# KiCad board panel_rp2354_20x20.kicad_pcb (continued)
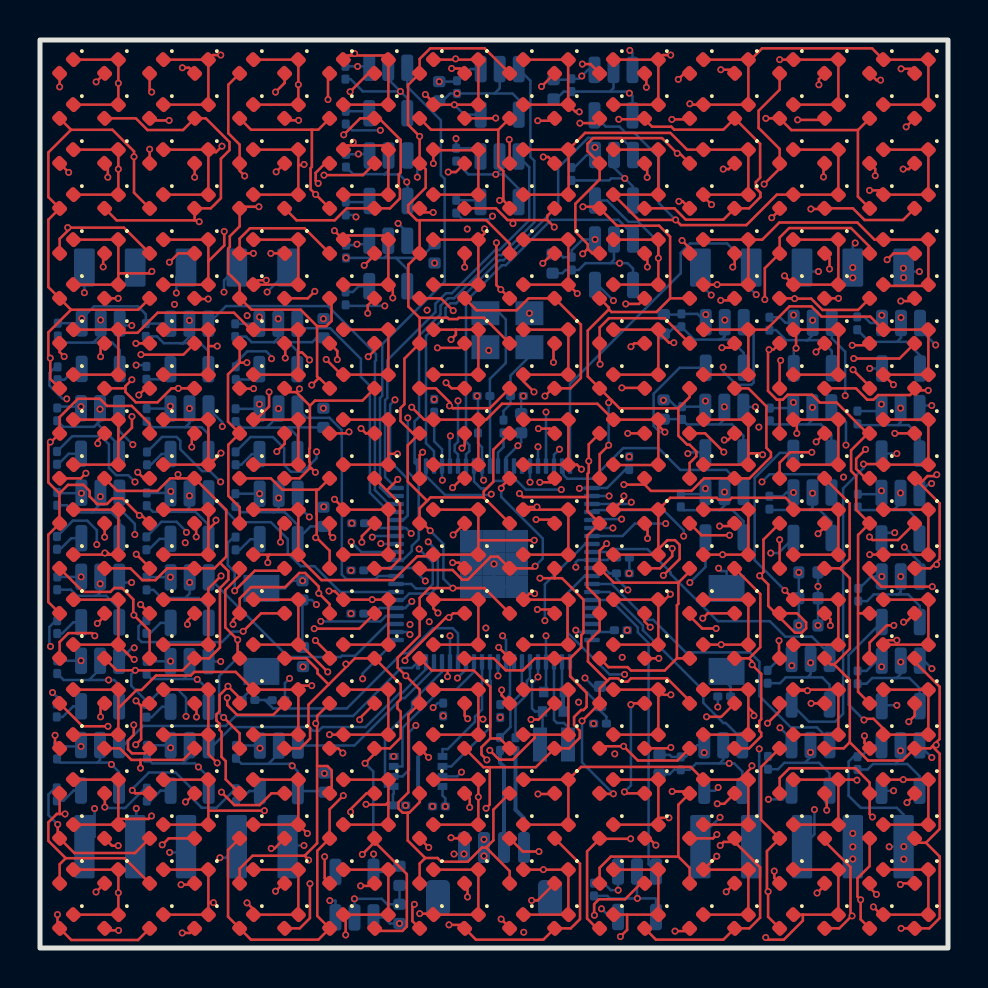
[diagram p0: board, top side]
## Routing (per net, layer and track width the routed paths; a pad name or vN(x,y) marks a point on that pad's centre or on a via; arc(x,y) is an arc through that point) (continued)
Net-(D161-A): length 114.2
  Top w0.127: 19.35,22.35 19.53,22.53 22.19,22.53 ; 19.35,22.35 18.39,23.32 18.39,25.14 D165.2 18.65,25.73 18.03,26.35 18.03,26.99 18.22,27.19 18.22,29.47 D164.2 18.98,31.51 ; 19.35,22.35 18.98,21.98 D166.2 19.14,21.23 v1(19.51,20.87) ; 22.19,22.53 22.19,22.83 22.66,23.31 22.66,24.91 D176.2 ; 22.19,22.53 D175.2 ; 18.98,36.39 18.84,36.39 18.41,36.82 18.41,37.14 19.28,38.02 19.28,38.93 D162.2 v1(18.98,40.58) 18.4,41.16 18.4,43.15 D161.2 18.98,44.45 19.51,44.98 22.23,44.98 D180.2 ; 18.98,36.39 22.31,36.39 23.48,35.22 D178.2 ; 18.98,36.39 D163.2 18.42,34.17 18.42,32.07 18.98,31.51 ; 19.26,4.5 18.39,5.37 18.39,6.76 ; 19.26,4.5 19.88,4.5 20.06,4.31 21.39,4.31 22.09,5.02 22.31,5.02 ; 19.26,4.5 18.98,4.22 D170.2 ; 18.39,6.76 18.13,6.76 17.92,6.98 17.92,7.28 18.42,7.78 18.42,11.67 D168.2 18.98,12.92 v1(18.29,13.61) 17.88,14.02 17.88,14.52 18.98,15.62 D167.2 18.98,17.51 19.47,17.99 v1(20.64,17.99) 22.22,17.99 D174.2 ; 18.39,6.76 18.46,6.76 18.98,7.29 D169.2 ; D173.2 23.08,12.63 v1(23.08,12.9) ; D172.2 22.67,6.92 22.67,5.38 22.31,5.02 ; 18.98,31.51 20.38,31.51 20.45,31.45 20.87,31.45 20.94,31.51 22.2,31.51 D177.2 ; v1(23.46,40.42) 23.48,40.4 D179.2 ; 22.31,5.02 23.48,3.85 D171.2
  In1.Cu w0.127: v1(23.08,12.9) 23.05,12.94 18.96,12.94 v1(18.29,13.61) ; v1(19.51,20.87) 19.21,20.87 18.71,20.36 18.41,20.36 17.84,20.94 16.06,20.94 15.97,20.85 14.83,20.85 14.66,21.01 7.55,21.01 v1(7.32,20.78) ; v1(18.98,40.58) 19.28,40.88 22.59,40.88 23.05,40.42 v1(23.46,40.42)
  Bottom w0.127: v1(20.64,17.99) 20.17,18.47 20.17,20.2 v1(19.51,20.87) ; 5.32,20.56 6.08,21.31 6.83,21.31 7.32,20.82 v1(7.32,20.78)
Net-(D181-A): length 144.3
  Top w0.127: v1(24.8,21.42) 25.54,21.42 D195.2 ; v1(24.55,11.42) 24.92,11.42 D193.2 ; v1(24.92,25.97) 25.5,25.97 D196.2 ; D191.2 24.88,2.38 v1(24.58,2.38) ; D182.2 20.8,38.8 v1(20.41,38.8) ; v1(20.58,43.98) 20.99,43.98 D181.2 ; D192.2 25.7,7.7 v1(24.9,7.7) ; D194.2 25.54,16.93 v1(24.87,16.93) ; v1(19.87,30.01) 21.01,30.01 D184.2 ; v1(20.65,20.65) D186.2 ; D199.2 25.41,39.55 v1(25.16,39.55) ; D200.2 v1(25.07,43.07) ; v1(21.23,34.04) D183.2 ; D187.2 20.65,16.73 v1(20.45,16.53) 20.3,16.53 18.25,14.48 v1(18.25,14.37) ; v1(21.38,11.46) 21.23,11.61 D188.2 ; D197.2 25.67,30.17 v1(25.67,29.28) ; v1(25.14,34.24) 25.64,34.73 D198.2 ; v1(21.38,2.55) 21.38,3.09 D190.2 ; D189.2 21.48,7.48 v1(21.48,7.03) ; v1(21.1,24.99) 21.23,25.13 D185.2
  In1.Cu w0.127: v1(21.23,34.04) 21.43,34.24 v1(25.14,34.24) ; v1(21.1,24.99) 20.6,24.99 20.14,25.45 20.14,25.78 20.33,25.97 v1(24.92,25.97) ; v1(21.38,2.55) 21.55,2.38 v1(24.58,2.38) ; v1(20.65,20.65) 21.42,21.42 v1(24.8,21.42) ; v1(25.07,43.07) 24.17,43.98 v1(20.58,43.98) ; v1(2.84,20.17) 5.57,20.17 6.1,19.64 12.09,19.64 12.36,19.37 13.66,19.37 16.85,16.18 v1(18.5,16.18)
  In2.Cu w0.127: v1(18.25,14.37) 18.7,13.92 18.7,12.45 18.38,12.13 18.38,11 18.69,10.68 18.86,10.68 20.21,9.33 20.21,9.12 20.91,8.41 21.48,8.41 ; 25.38,21.42 25.61,21.65 25.61,26.14 25.93,26.46 25.93,29.03 v1(25.67,29.28) 25.67,33.7 v1(25.14,34.24) ; 25.38,21.42 v1(24.8,21.42) 23.07,19.69 23.07,19.04 20.56,16.53 v1(20.45,16.53) 20.45,16.8 20.14,17.12 19.44,17.12 v1(18.5,16.18) ; 25.38,21.42 25.38,17.43 v1(24.87,16.93) ; v1(25.07,43.07) 25.25,42.9 25.25,39.64 v1(25.16,39.55) ; v1(24.58,2.38) 24.58,7.38 v1(24.9,7.7) 24.55,8.05 v1(24.55,11.42) ; 21.48,8.41 v1(21.48,7.03) 21.6,6.91 21.6,2.78 v1(21.38,2.55) ; 21.48,8.41 21.48,11.36 v1(21.38,11.46) ; v1(20.58,43.98) 20.35,43.75 20.35,38.86 v1(20.41,38.8) 20.41,34.86 v1(21.23,34.04) 19.87,32.68 v1(19.87,30.01) 19.87,28.18 20.13,27.92 20.13,27.28 20.07,27.22 20.07,26.71 21.1,25.68 v1(21.1,24.99)
  Bottom w0.127: R18.2 1.64,21.37 2.36,21.37 2.84,20.89 v1(2.84,20.17)
Net-(D201-A): length 125.1
  Top w0.127: D213.2 22.99,10.48 22.51,10.48 ; D205.2 18.98,24.64 v1(19.13,24.79) ; 20.52,27.12 20.65,26.99 22.49,26.99 D217.2 ; 20.52,27.12 20.5,27.11 v1(20.48,27.11) ; 20.52,27.12 20.52,27.25 19.79,27.98 D204.2 ; D218.2 v1(23.04,32.92) 22.82,33.14 v1(22.82,35.26) ; 22.51,10.48 22.51,13.06 21.69,13.88 20.38,13.88 ; 22.51,10.48 22.07,10.04 22.07,9.68 v1(22.34,9.4) ; 20.38,13.88 19.58,13.88 D207.2 ; 20.38,13.88 v1(20.38,13.57) ; D206.2 19.06,18.9 20.63,18.9 21.11,18.42 21.39,18.42 22.54,19.57 22.9,19.57 D215.2 24.65,18.98 v1(24.76,19.09) ; v1(20.66,31.87) 20.04,32.48 D203.2 ; D211.2 23.48,1.02 v1(23.06,1.44) ; v1(19.66,36.78) 19.18,36.78 D202.2 ; 22.91,40.91 D220.2 ; 22.91,40.91 22.91,39.1 23.17,38.84 23.17,37.38 ; 22.91,40.91 19.55,40.91 D201.2 ; D216.2 23.06,23.06 v1(23.06,22.99) ; 23.17,37.38 v1(22.98,37.38) ; 23.17,37.38 23.48,37.07 D219.2 ; v1(18.72,2.18) 18.62,2.09 18.62,1.34 D210.2 ; D212.2 24.14,4.82 v1(24.95,4.82) ; v1(19.44,5.03) D209.2 ; D208.2 v1(19.43,9.53) ; D214.2 v1(22.93,15.03)
  In1.Cu w0.127: v1(23.06,1.44) 22.42,2.08 18.82,2.08 v1(18.72,2.18) ; v1(19.13,24.79) 18.8,25.12 14.14,25.12 v1(13.83,24.81) ; v1(22.93,15.03) 22.29,15.67 v1(22.29,16) ; v1(19.66,36.78) 20.49,35.95 v1(21.36,35.95) ; v1(24.95,4.82) 24.71,5.06 21.84,5.06 21.78,5.12 19.53,5.12 v1(19.44,5.03) ; v1(20.38,13.57) 19.46,14.48 v1(19.46,16.31) ; v1(22.34,9.4) 19.56,9.4 v1(19.43,9.53)
  In2.Cu w0.127: v1(21.36,35.95) 21.8,35.51 21.8,35.26 ; v1(22.98,37.38) 23,37.36 23,35.44 v1(22.82,35.26) 21.8,35.26 ; v1(19.46,16.31) 19.61,16.16 21.83,16.16 21.98,16.31 ; v1(18.72,2.18) 18.72,4.31 v1(19.44,5.03) 20.67,6.26 20.67,8.29 v1(19.43,9.53) ; 20.94,31.75 20.78,31.75 v1(20.66,31.87) ; 20.94,31.75 21.8,32.61 21.8,35.26 ; 20.94,31.75 20.94,28.39 20.48,27.92 v1(20.48,27.11) 21.51,26.07 21.51,24.89 21.21,24.59 19.34,24.59 v1(19.13,24.79) ; 21.98,16.31 22.29,16 v1(22.29,16) ; 21.98,16.31 v1(24.76,19.09) ; v1(23.06,22.99) 23.04,23.01 v1(23.04,32.92)
  Bottom w0.127: R19.2 10.52,25.55 11.65,25.55 12.21,24.99 12.21,24.15 12.54,23.81 13.15,23.81 13.83,24.49 v1(13.83,24.81) ; v1(23.06,22.99) 23.06,22.55 25.14,20.48 25.14,19.47 v1(24.76,19.09)
Net-(D221-A): length 130
  Top w0.127: 26.51,14.48 27.06,15.04 27.06,15.65 27.17,15.76 27.17,17.42 26.1,18.49 25.73,18.49 ; 26.51,14.48 D234.2 24.75,14.48 24.15,13.88 23.29,13.88 22.69,14.48 D227.2 ; 26.51,14.48 26.51,13.58 27.33,12.76 27.33,12.06 27.17,11.9 27.05,11.9 26.7,11.55 26.7,11.15 26.99,10.86 26.99,10.51 26.46,9.98 D233.2 24.79,9.04 22.49,9.04 ; D226.2 20.95,19.27 v1(20.63,19.27) ; D222.2 22.79,36.98 23.38,36.4 23.65,36.4 ; 25.36,36.4 v1(25.71,36.05) ; 25.36,36.4 25.36,36.61 D239.2 ; 25.36,36.4 23.65,36.4 ; v1(20.45,1.16) 21.06,1.16 D230.2 21.8,0.42 25.17,0.42 D231.2 26.54,0.98 27,1.45 27,4.21 D232.2 ; 25.73,18.49 v1(25,18.49) ; 25.73,18.49 D235.2 ; v1(24.99,23.29) 25.54,23.29 D236.2 ; D225.2 21.1,23.48 v1(20.63,23.02) ; D223.2 21.83,31.89 23.83,31.89 24.42,32.48 D238.2 27.04,31.17 27.04,28.5 26.53,27.98 D237.2 25.63,27.98 v1(25.25,27.6) ; D221.2 22.77,41.48 v1(22.79,41.5) ; D240.2 25.61,41.36 v1(24.89,41.36) ; D224.2 20.58,27.98 v1(20.3,28.26) ; D229.2 20.58,5.48 v1(20.55,5.51) ; 23.65,36.4 v1(23.65,36.22) ; 22.49,9.04 22.49,7.17 v1(22.3,6.98) ; 22.49,9.04 22.17,9.04 D228.2
  In1.Cu w0.127: v1(25.25,27.6) 25.25,27.85 24.88,28.21 23.08,28.21 21.55,26.69 20.37,26.69 20.11,26.95 20.11,28.07 v1(20.3,28.26) ; v1(24.99,23.29) 24.99,23.42 24.59,23.81 21.42,23.81 v1(20.63,23.02) 15.61,23.02 15.22,23.41 9.14,23.41 v1(9.03,23.31) ; v1(20.63,19.27) 22.09,19.27 22.86,18.49 v1(25,18.49) ; v1(22.3,6.98) 20.83,5.51 v1(20.55,5.51)
  In2.Cu w0.127: v1(24.89,41.36) 24.02,40.5 23.89,40.5 ; v1(23.65,36.22) 23.89,36.47 23.89,40.5 ; v1(22.79,41.5) 22.9,41.5 23.89,40.5 ; v1(20.63,19.27) 21.06,19.27 24.99,23.19 v1(24.99,23.29) 25.35,23.65 25.35,26.25 25.67,26.57 25.67,27.17 v1(25.25,27.6) 25.25,31.94 24.77,32.42 24.77,35.11 v1(25.71,36.05) ; v1(20.55,5.51) 20.28,5.24 20.28,1.33 v1(20.45,1.16)
  Bottom w0.127: R20.2 6.1,25.55 6.83,25.55 7.02,25.36 7.02,24.94 8.11,23.85 8.49,23.85 v1(9.03,23.31)
Net-(D241-A): length 139.4
  Top w0.127: D259.2 31.98,39.73 v1(31.86,39.73) 31.1,40.49 27.65,40.49 27.38,40.22 27.38,39.84 D242.2 27.98,38.43 26.77,37.21 26.77,35.81 27.39,35.19 27.39,34.96 ; v1(34.19,24.8) 33.26,25.73 D256.2 ; D245.2 27.44,25.19 v1(27.44,24.35) 27.44,23.77 27.38,23.71 27.38,22.55 ; D251.2 32.48,4 31.92,4.57 ; v1(27.12,44.2) 27.52,44.2 D241.2 ; v1(28,29.19) 27.98,29.21 D244.2 27.98,31.02 28.45,31.49 31.23,31.49 D257.2 ; 28.37,13.35 28.5,13.48 28.91,13.48 29.08,13.31 29.38,13.31 29.55,13.48 31.35,13.48 32.48,12.36 D253.2 ; 28.37,13.35 27.4,14.32 27.4,15.3 27.98,15.88 D247.2 27.98,17.42 27.36,18.05 27.36,20.61 D246.2 27.38,21.84 27.38,22.55 ; 28.37,13.35 27.98,12.97 D248.2 v1(27.1,11.35) ; v1(31.61,7.83) 32.39,7.83 D252.2 31.92,7.17 31.92,4.57 ; 27.39,34.96 27.62,34.73 D243.2 ; 27.39,34.96 v1(27.14,34.71) ; v1(28.67,7.71) 28.01,7.71 D249.2 ; D255.2 33.08,20.64 v1(34.48,20.64) ; D260.2 32.21,43.73 v1(31.91,43.43) ; v1(33.81,15.98) 33.11,15.98 32.48,16.6 D254.2 ; 31.92,4.57 28.54,4.57 27.98,4.01 D250.2 ; v1(32.1,35.37) 32.48,34.99 D258.2 ; 27.38,22.55 24.15,22.55 v1(23.97,22.72)
  In1.Cu w0.127: v1(27.12,44.2) 31.15,44.2 v1(31.91,43.43) ; v1(27.44,24.35) 27.59,24.19 33.59,24.19 v1(34.19,24.8) ; v1(28.67,7.71) 28.94,7.44 31.22,7.44 v1(31.61,7.83) ; v1(23.97,22.72) 23.58,22.33 15.82,22.33 15.03,23.12 9.89,23.12 9.71,22.94 7.84,22.94 7.48,23.3 v1(4.75,23.3)
  In2.Cu w0.127: 34.55,20.64 34.64,20.73 34.64,24.35 v1(34.19,24.8) ; 34.55,20.64 v1(34.48,20.64) ; 34.55,20.64 34.55,16.72 v1(33.81,15.98) ; v1(27.44,24.35) 27.44,28.62 v1(28,29.19) 27.33,29.87 27.33,34.52 v1(27.14,34.71) ; v1(32.1,35.37) 32.32,35.59 32.32,39.27 v1(31.86,39.73) 31.96,39.83 31.96,43.38 v1(31.91,43.43)
  Bottom w0.127: v1(4.75,23.3) 4.42,23.64 3.81,23.64 3.45,24 3.45,25.19 3.05,25.59 1.61,25.59 R21.2 ; v1(27.1,11.35) 27.1,9.28 v1(28.67,7.71)
Net-(D261-A): length 143.3
  Top w0.127: D274.2 33.38,16.73 v1(33.14,16.49) ; D267.2 30.23,16.32 v1(30.51,16.04) ; v1(34.04,43.91) 34.55,43.91 D280.2 ; D268.2 29.61,12.23 v1(29.54,12.17) ; v1(30.38,20.48) 30.38,21.09 D266.2 ; D269.2 29.29,7.73 v1(29.22,7.8) ; D264.2 29.71,30.23 v1(29.55,30.07) ; D277.2 34.52,30.02 v1(34.1,30.02) ; D261.2 30.32,43.65 v1(30.32,43.04) ; D273.2 34.06,11.56 v1(33.33,11.56) ; D263.2 30.37,34.59 v1(30.37,34.05) ; v1(34.21,25.4) 34.4,25.4 D276.2 ; v1(33.98,21.1) 34.6,21.1 D275.2 ; v1(34.31,2.81) D271.2 ; D265.2 v1(29.39,25.73) ; D279.2 34.45,38.95 v1(34.16,38.95) ; v1(34.64,34.05) 34.73,34.14 D278.2 ; D272.2 34.21,7.21 v1(33.86,7.21) ; D270.2 30.05,3.23 29.25,2.44 27.95,2.44 27.71,2.19 27.71,1.65 v1(27.72,1.64) ; v1(30.36,38.53) 30.36,39.11 D262.2
  In1.Cu w0.127: v1(34.64,34.05) 34.63,34.05 v1(30.37,34.05) ; v1(30.36,38.53) 33.75,38.53 v1(34.16,38.95) ; v1(29.54,12.17) 30.15,11.56 v1(33.33,11.56) ; v1(34.1,30.02) 33.98,29.9 29.71,29.9 v1(29.55,30.07) ; v1(30.32,43.04) 33.16,43.04 v1(34.04,43.91) ; v1(34.21,25.4) 29.72,25.4 v1(29.39,25.73) 29.39,25.58 28.58,24.77 26.32,24.77 26.12,24.57 20.02,24.57 19.14,25.44 5.43,25.44 4.79,24.8 2.72,24.8 1.34,26.19 v1(1.34,27.46)
  In2.Cu w0.127: v1(34.21,25.4) 33.82,25 33.82,21.1 ; v1(30.32,43.04) 30.36,43 v1(30.36,38.53) 30.36,34.06 v1(30.37,34.05) 30.37,30.89 v1(29.55,30.07) 29.55,25.89 v1(29.39,25.73) 30.38,24.74 v1(30.38,20.48) 30.38,16.17 v1(30.51,16.04) ; v1(34.31,2.81) 34.38,2.88 34.38,6.69 v1(33.86,7.21) 33.77,7.21 32.84,8.14 32.84,11.07 v1(33.33,11.56) 33.33,16.3 v1(33.14,16.49) 33.14,20.42 33.82,21.1 ; 33.82,21.1 v1(33.98,21.1) ; v1(27.72,1.64) 27.78,1.57 28.24,1.57 28.49,1.83 28.49,5.28 29.22,6.01 v1(29.22,7.8)
  Bottom w0.127: 0.88,29.06 0.78,29.06 0.47,28.75 0.47,28.12 1.14,27.46 v1(1.34,27.46) ; v1(29.54,12.17) 29.55,12.17 29.55,8.13 v1(29.22,7.8)
Net-(D281-A): length 120.9
  Top w0.127: 31.5,32.48 31.5,35.57 30.96,36.11 28.85,36.11 D282.2 27.9,37.06 v1(27.15,37.06) ; 31.5,32.48 30.82,31.8 28.58,31.8 28.44,31.93 ; 31.5,32.48 D298.2 ; 28.44,31.93 27.39,30.88 27.39,28.58 D284.2 28.56,27.4 ; 28.44,31.93 28.44,32.02 D283.2 ; 31.92,18.27 32.48,18.83 D295.2 ; 31.92,18.27 28.7,18.27 D286.2 27.98,19.87 v1(28.33,20.22) ; 31.92,18.27 31.92,17.21 31.84,17.14 31.84,14.48 ; D290.2 27.85,0.98 27.35,1.48 27.35,4.83 27.98,5.46 ; D287.2 28.42,14.04 29.38,14.04 29.55,13.87 31.23,13.87 31.84,14.48 ; D291.2 32.34,0.84 v1(31.75,0.84) ; v1(26.99,41.24) 27.74,41.24 D281.2 ; 28.56,27.4 28.98,26.98 31.92,26.98 ; 28.56,27.4 v1(28.43,27.27) ; D300.2 32.43,41.43 v1(31.6,41.43) ; D288.2 28.09,10.09 v1(29.18,10.09) 29.9,9.37 31.87,9.37 D293.2 ; 27.98,5.46 v1(29.53,5.46) ; 27.98,5.46 D289.2 ; v1(28.43,25.14) 27.98,24.69 D285.2 ; 31.92,26.98 32.48,27.55 D297.2 ; 31.92,26.98 31.92,25.61 32.36,25.17 32.47,25.17 32.82,24.83 32.82,24.58 32.48,24.25 D296.2 ; D299.2 32.13,37.33 v1(31.95,37.33) ; D292.2 33.65,5.48 v1(33.84,5.67) ; 31.84,14.48 D294.2
  In1.Cu w0.127: v1(33.84,5.67) 29.75,5.67 v1(29.53,5.46) ; v1(31.95,37.33) 31.67,37.06 v1(27.15,37.06) 27.1,37.02 20.04,37.02 19.91,37.15 16.39,37.15 v1(15.8,36.55)
  In2.Cu w0.127: 29.6,5.46 29.6,8.71 28.97,9.34 ; 29.6,5.46 v1(29.53,5.46) ; 29.6,5.46 31.75,3.31 v1(31.75,0.84) ; v1(26.99,41.24) 26.99,37.21 v1(27.15,37.06) ; v1(31.6,41.43) 31.47,41.31 31.47,37.8 v1(31.95,37.33) ; v1(29.18,10.09) 29.18,9.55 28.97,9.34 ; 28.97,9.34 28.58,9.34 28.33,9.59 v1(28.33,20.22) 28.07,20.48 28.07,24.77 v1(28.43,25.14)
  Bottom w0.127: v1(15.8,36.55) 15.7,36.66 R23.2 ; v1(28.43,25.14) v1(28.43,27.27)
Net-(D301-A): length 130.6
  Top w0.127: v1(31.54,10.03) 31.5,9.98 D308.2 ; 35.46,14.48 36.01,15.04 36.01,17.7 D315.2 ; 35.46,14.48 D314.2 ; 35.46,14.48 35.6,14.33 v1(35.6,14.16) 36.06,13.71 36.06,11.44 35.97,11.35 35.97,10.86 36.06,10.76 36.06,10.59 35.45,9.98 D313.2 ; 30.23,41.44 30.6,41.06 31.57,41.06 31.71,40.92 34.17,40.92 D320.2 36.01,40.21 36.01,38.51 35.79,38.3 35.79,37.99 36.02,37.77 36.02,37.55 35.46,36.98 D319.2 34.17,36.42 32.29,36.42 31.72,36.98 D302.2 ; 30.23,41.44 v1(28.94,41.44) ; 30.23,41.44 D301.2 ; D307.2 v1(30.94,14.48) ; D310.2 30.8,0.42 34.17,0.42 D311.2 35.47,0.98 36,1.52 36,4.03 34.73,5.3 ; D318.2 34.63,32.38 v1(34.04,32.38) ; 34.73,5.3 34.19,5.3 v1(34.01,5.13) ; 34.73,5.3 D312.2 ; D317.2 35.42,27.98 36.32,27.08 36.32,25.01 36.55,24.78 36.55,24.55 35.47,23.48 D316.2 33.2,23.48 32.58,22.86 30.54,22.86 30.23,23.17 ; D309.2 30.45,5.48 v1(30.79,5.14) ; D303.2 29.95,32.2 v1(29.29,32.2) ; D304.2 30.21,28.01 v1(29.09,28.01) ; D305.2 30.23,23.17 ; 30.23,23.17 v1(29.19,23.17) ; v1(31.61,19.98) 31.61,19.59 31,18.98 D306.2
  In1.Cu w0.127: v1(34.04,32.38) 33.86,32.2 v1(29.29,32.2) 29.06,31.98 28.54,31.98 28.29,32.23 19.63,32.23 19.56,32.31 19.26,32.31 19.05,32.11 v1(17.24,32.11) ; v1(34.01,5.13) 34,5.14 v1(30.79,5.14) ; v1(29.19,23.17) 28.42,23.17 28.07,22.83 28.07,21.03 29.13,19.98 v1(31.61,19.98) ; v1(30.94,14.48) 35.28,14.48 v1(35.6,14.16)
  In2.Cu w0.127: 30.94,10.03 30.79,9.88 v1(30.79,5.14) ; 30.94,10.03 v1(31.54,10.03) ; 30.94,10.03 v1(30.94,14.48) 30.94,18.34 30.8,18.48 30.8,19.17 v1(31.61,19.98) ; v1(28.94,41.44) 28.83,41.33 28.83,35.08 29.39,34.52 29.39,32.3 v1(29.29,32.2) 29.09,32.01 v1(29.09,28.01) 29.09,27.05 29,26.96 29,25.45 29.05,25.4 29.05,23.31 v1(29.19,23.17)
  Bottom w0.127: R24.2 15.33,32.11 v1(17.24,32.11)
Net-(D321-A): length 151.8
  Top w0.127: D321.2 36.98,42.91 35.93,41.86 35.93,41.01 36.98,39.95 D322.2 36.98,38.97 v1(36.21,38.19) ; 40.9,16.73 40.9,12.81 D333.2 ; 40.9,16.73 D334.2 ; 40.9,16.73 40.9,20.65 D335.2 40.81,21.91 40.81,23.6 40.55,23.85 40.55,24.89 41.25,25.59 41.25,25.73 ; D340.2 41.82,43.39 v1(42.03,43.39) ; v1(41.62,6.55) 41.48,6.69 D332.2 41.48,8.27 40.77,8.99 37.47,8.99 36.98,8.5 D329.2 ; D338.2 41.48,35.07 40.55,36 37.46,36 36.98,35.52 D323.2 36.24,33.99 v1(36.24,32.42) ; 41.25,25.73 41.25,25.85 39.83,27.27 39,27.27 38.61,27.66 37.38,27.66 37.14,27.42 36.98,27.42 ; 41.25,25.73 D336.2 ; D331.2 41.48,3.02 v1(41.82,2.68) ; v1(40.61,30.14) 41.39,30.14 D337.2 ; D326.2 36.17,20.42 36.17,18.8 v1(35.98,18.61) 36.42,18.18 36.42,17.1 37.75,15.76 38.09,15.76 38.31,15.98 38.31,16.28 37.85,16.73 D327.2 ; D330.2 36.71,3.5 v1(36.71,3.85) ; v1(41.76,38.61) 41.76,38.95 D339.2 ; D324.2 36.67,29.92 v1(36.45,29.92) 36.4,29.86 36.4,27.86 36.84,27.42 36.98,27.42 ; v1(36.38,11.24) 36.98,11.84 D328.2 ; 36.98,27.42 D325.2
  In1.Cu w0.127: v1(36.21,38.19) 36.29,38.11 41.11,38.11 41.61,38.61 v1(41.76,38.61) ; v1(40.61,30.14) 39.88,29.41 37.77,29.41 37.27,29.92 v1(36.45,29.92) 36.11,29.58 25.9,29.58 25.83,29.65 25.52,29.65 24.97,29.09 15.54,29.09 15.25,28.8 13.36,28.8 13.33,28.83 12.21,28.83 v1(11.58,29.46) ; v1(41.62,6.55) 41.36,6.29 39.16,6.29 v1(36.71,3.85)
  In2.Cu w0.127: v1(36.21,38.19) 36.21,32.46 v1(36.24,32.42) 36.45,32.21 v1(36.45,29.92) 36.45,29.28 36.75,28.98 36.75,20.81 35.98,20.05 v1(35.98,18.61) 36.18,18.41 36.18,11.43 v1(36.38,11.24) 36.38,11.12 36.82,10.67 36.82,3.95 v1(36.71,3.85) ; v1(41.76,38.61) 42.03,38.88 v1(42.03,43.39) ; v1(41.62,6.55) 41.82,6.35 v1(41.82,2.68)
  Bottom w0.127: v1(11.58,29.46) 11.58,29.57 11.31,29.83 10.37,29.83 9.79,29.25 R25.2
Net-(D341-A): length 143.8
  Top w0.127: v1(39.48,33.95) 39.48,34.49 D343.2 ; v1(38.9,20.71) 39.23,21.04 D346.2 ; D356.2 v1(42.74,25.73) ; D358.2 42.67,34.73 v1(42.36,34.41) ; D345.2 v1(38.81,25.31) ; D354.2 43.29,16.29 v1(43.18,16.29) ; v1(39.34,6.89) 39.34,7.63 D349.2 ; D350.2 39.23,3.13 v1(38.85,2.75) ; D344.2 v1(38.8,29.8) ; v1(43.44,11.31) 43.73,11.61 D353.2 ; D348.2 v1(38.56,12.23) ; D352.2 43.73,7.65 v1(43.35,7.27) ; v1(43.02,3.17) 43.08,3.23 D351.2 ; v1(43.16,38.95) 43.45,38.95 D359.2 ; v1(39.52,16.12) 39.52,16.45 D347.2 ; v1(39.17,38.55) 39.17,39.17 D342.2 ; D360.2 43.51,43.96 v1(43.05,43.96) ; v1(41.47,20.55) 41.62,20.4 42.9,20.4 D355.2 ; D341.2 38.95,43.45 v1(38.95,43.16) ; v1(40.69,29.47) 42.97,29.47 D357.2
  In1.Cu w0.127: v1(43.05,43.96) 43.05,43.9 42.18,43.03 39.08,43.03 v1(38.95,43.16) ; v1(38.9,20.71) 39.06,20.55 v1(41.47,20.55) ; v1(43.02,3.17) 39.28,3.17 v1(38.85,2.75) ; v1(39.17,38.55) 39.6,38.98 43.12,38.98 v1(43.16,38.95) ; v1(43.18,16.29) 44.96,14.51 44.96,12.83 v1(43.44,11.31) ; v1(39.48,33.95) 39.94,34.41 v1(42.36,34.41) ; v1(42.74,25.73) 42.69,25.78 39.28,25.78 v1(38.81,25.31) ; v1(38.8,29.8) 37.81,30.8 18.3,30.8 18.19,30.69 6.58,30.69 5.04,29.14 v1(4.81,29.14) ; v1(39.34,6.89) 39.72,7.27 v1(43.35,7.27)
  In2.Cu w0.127: v1(38.85,2.75) 39.34,3.23 v1(39.34,6.89) 39.34,11.45 v1(38.56,12.23) 39.52,13.19 v1(39.52,16.12) 39.52,20.1 v1(38.9,20.71) ; v1(38.95,43.16) 39.17,42.93 v1(39.17,38.55) 39.48,38.25 v1(39.48,33.95) 39.48,30.68 39.58,30.58 ; 39.58,30.58 v1(40.69,29.47) 40.88,29.67 41.67,29.67 42.15,29.19 42.15,28.69 41.64,28.18 41.64,20.72 v1(41.47,20.55) ; 39.58,30.58 v1(38.8,29.8) 39.01,29.59 39.01,25.51 v1(38.81,25.31) ; v1(43.44,11.31) 43.44,9.28 42.8,8.64 42.8,8.26 43.35,7.71 v1(43.35,7.27)
  Bottom w0.127: R26.2 5.25,29.14 4.81,29.14 v1(4.81,29.14)
Net-(D361-A): length 150.6
  Top w0.127: v1(36.59,36.51) 36.98,36.91 D362.2 ; 40.9,40.9 37.57,40.9 D361.2 v1(36.29,41.48) ; 40.9,40.9 40.9,37.57 D379.2 ; 40.9,40.9 D380.2 ; v1(41.22,10.61) 41.22,10.24 D373.2 ; D372.2 41.48,4.09 40.87,3.48 40.87,2.57 v1(41.03,2.41) 41.03,1.43 D371.2 ; D376.2 41.28,23.48 40.81,23.96 40.81,24.46 v1(41.28,24.93) ; v1(40.65,28.91) 41.48,28.08 D377.2 ; D363.2 37.72,32.48 v1(37.73,32.47) 38.56,32.47 39.12,31.9 40.9,31.9 D378.2 ; v1(44.61,18.07) 44.62,18.07 42.07,18.07 41.48,18.66 D375.2 ; v1(36.95,15.37) 36.95,14.51 D367.2 ; D366.2 v1(36.98,20.41) ; D364.2 36.98,29.33 v1(37.03,29.38) ; D374.2 41.48,15.27 42.34,16.13 v1(42.69,16.13) ; v1(38.59,24.79) 37.5,24.79 36.98,24.27 D365.2 ; D368.2 36.05,9.05 36.05,6.41 D369.2 36.35,4.85 36.35,2.88 v1(36.4,2.82) 36.4,1.56 D370.2
  In1.Cu w0.127: 44.46,18.09 42.69,16.32 v1(42.69,16.13) ; 44.46,18.09 44.59,18.09 v1(44.61,18.07) ; 44.46,18.09 44.46,19.58 42.86,21.17 37.74,21.17 v1(36.98,20.41) ; v1(17.02,40.88) 17.26,41.13 22.82,41.13 23.08,40.88 35.69,40.88 v1(36.29,41.48) ; v1(41.28,24.93) 40.7,25.51 39.79,25.51 39.07,24.79 v1(38.59,24.79) ; v1(36.4,2.82) 36.84,2.38 41.01,2.38 v1(41.03,2.41) ; v1(37.73,32.47) 38.81,32.47 41.05,30.23 41.05,29.31 v1(40.65,28.91)
  In2.Cu w0.127: 41.22,6.92 41.77,6.92 41.8,6.89 43.51,6.89 44.21,7.59 44.21,17.67 v1(44.61,18.07) ; 41.22,6.92 v1(41.22,10.61) ; 41.22,6.92 41.22,2.6 v1(41.03,2.41) ; v1(41.28,24.93) 41.28,28.23 41.89,28.84 41.89,29.09 41.6,29.38 41.12,29.38 v1(40.65,28.91) ; v1(36.29,41.48) 36.59,41.19 v1(36.59,36.51) 36.59,33.61 v1(37.73,32.47) 37.03,31.77 v1(37.03,29.38) 37.03,20.46 v1(36.98,20.41) 36.98,19.67 36.88,19.56 36.88,15.44 v1(36.95,15.37)
  Bottom w0.127: R27.2 15.6,40.88 v1(17.02,40.88)
Net-(D381-A): length 125.7
  Top w0.127: 43.73,27.88 D397.2 ; 43.73,27.88 43.5,27.65 41.9,27.65 41.67,27.42 41.36,27.42 40.8,27.98 D384.2 ; 43.73,27.88 v1(44.41,27.88) ; D389.2 39.23,5.34 40.52,4.05 40.52,1.6 ; 40,18.98 40.48,19.46 40.48,22.23 D385.2 ; 40,18.98 40.49,18.49 40.49,14.96 39.71,14.18 ; 40,18.98 D386.2 ; 44.75,10.21 44.98,10.45 44.98,13.06 43.73,14.31 D394.2 ; 44.75,10.21 44.62,10.08 ; 44.75,10.21 v1(44.81,10.15) ; D387.2 39.54,14.18 39.71,14.18 ; v1(44.84,23.67) 44.77,23.6 44.38,23.6 44,23.22 ; v1(38.54,36.95) 39.2,36.95 D382.2 40.65,36.98 41.23,36.4 43.15,36.4 D399.2 ; 40.52,1.6 v1(40.6,1.6) ; 40.52,1.6 40.52,1.54 39.96,0.98 D390.2 ; v1(37.88,41.41) 39.16,41.41 D381.2 ; 44.77,19.24 44.51,18.98 D395.2 ; 44.77,19.24 v1(44.83,19.17) ; 44.77,19.24 44.98,19.45 44.98,22.23 44,23.22 ; D383.2 v1(39.92,32.48) ; 44.62,10.08 44.98,9.72 44.98,5.95 44.3,5.26 ; 44.62,10.08 44.51,9.98 D393.2 43.12,9.37 41.4,9.37 40.49,10.29 ; D392.2 43.95,5.26 44.3,5.26 ; D396.2 44,23.22 ; v1(43.06,0.98) D391.2 44.47,0.98 44.98,1.5 44.98,4.58 44.3,5.26 ; 39.71,14.18 40.49,13.4 40.49,10.29 ; v1(43.31,41.06) D400.2 ; 40.49,10.29 40.18,9.98 D388.2 ; v1(43.04,32.35) 43.6,32.35 D398.2
  In1.Cu w0.127: v1(43.04,32.35) 40.06,32.35 v1(39.92,32.48) 39.7,32.48 37.63,34.54 37.63,36.04 ; v1(37.88,41.41) 42.96,41.41 v1(43.31,41.06) ; v1(22.62,36.59) 31.08,36.59 31.63,36.04 37.63,36.04 ; v1(40.6,1.6) 42.43,1.6 v1(43.06,0.98) ; 37.63,36.04 v1(38.54,36.95)
  In2.Cu w0.127: v1(44.81,10.15) 44.98,10.32 44.98,19.03 v1(44.83,19.17) ; v1(44.84,23.67) 44.22,24.29 44.22,27.68 v1(44.41,27.88) 44.41,30.97 v1(43.04,32.35) ; v1(38.54,36.95) 37.88,37.61 v1(37.88,41.41)
  Bottom w0.127: v1(22.62,36.59) 22.47,36.43 21.12,36.43 R28.2
Net-(R2-Pad1): length 1.3
  Bottom w0.127: R2.1 34.53,13.07 34.33,13.27 SW2.1
Net-(U2-USB_DM): length 4.1
  Bottom w0.127: U2.66 24.5,13.51 24.35,13.35 24.35,12.69 24.34,12.68 24.34,12.67 23.78,12.1 R8.2
Net-(U2-USB_DP): length 4.2
  Bottom w0.127: R7.2 23.52,11.04 23.52,12.2 24.09,12.77 24.09,13.84 24.1,13.85 U2.67

## Copper pours and planes (outline as drawn; the poured copper is in the pictures)
+1V1 on Bottom: 24.1,12.28 24.1,11.62 24.35,11.38 24.55,11.38 24.75,11.58 24.95,11.58 24.95,11.42 24.65,11.12 24.65,9.33 25.35,9.33 25.35,12.09 25.25,12.09 25.25,12.28 24.7,12.28 24.5,12.48 24.3,12.48
+5V on In3.Cu: 0.2,45.2 0.2,0.2 45.2,0.2 45.2,45.2
GND on Bottom: 26,14.32 26,11.58 26.8,11.58 27.1,11.88 27.1,12.62 26.2,13.53 26.2,14.32
GND on In4.Cu: 0.2,45.2 0.2,0.2 45.2,0.2 45.2,45.2
/panel_mcu/VREG_LX on Bottom: 25.6,14.23 25.6,13.42 25.55,13.38 25.55,11.23 26.05,10.73 26.05,9.33 26.75,9.33 26.75,11.03 26.45,11.33 26,11.33 25.85,11.48 25.85,13.38 25.8,13.42 25.8,14.23

Small or netless copper shapes (teardrops, artwork), in the pictures only: 1 on Bottom

## Text on the board
B.Silkscreen: RP2354 / V0.1R2
User.Drawings: Change Notes / 1. V0.1R2 Increased PCB size to 45.4mm x 45.4mm as some trace near the / border where too close to edge.
